# Altium PCB MCU063A_PCB.PcbDoc (part 7 of 9) (continued)
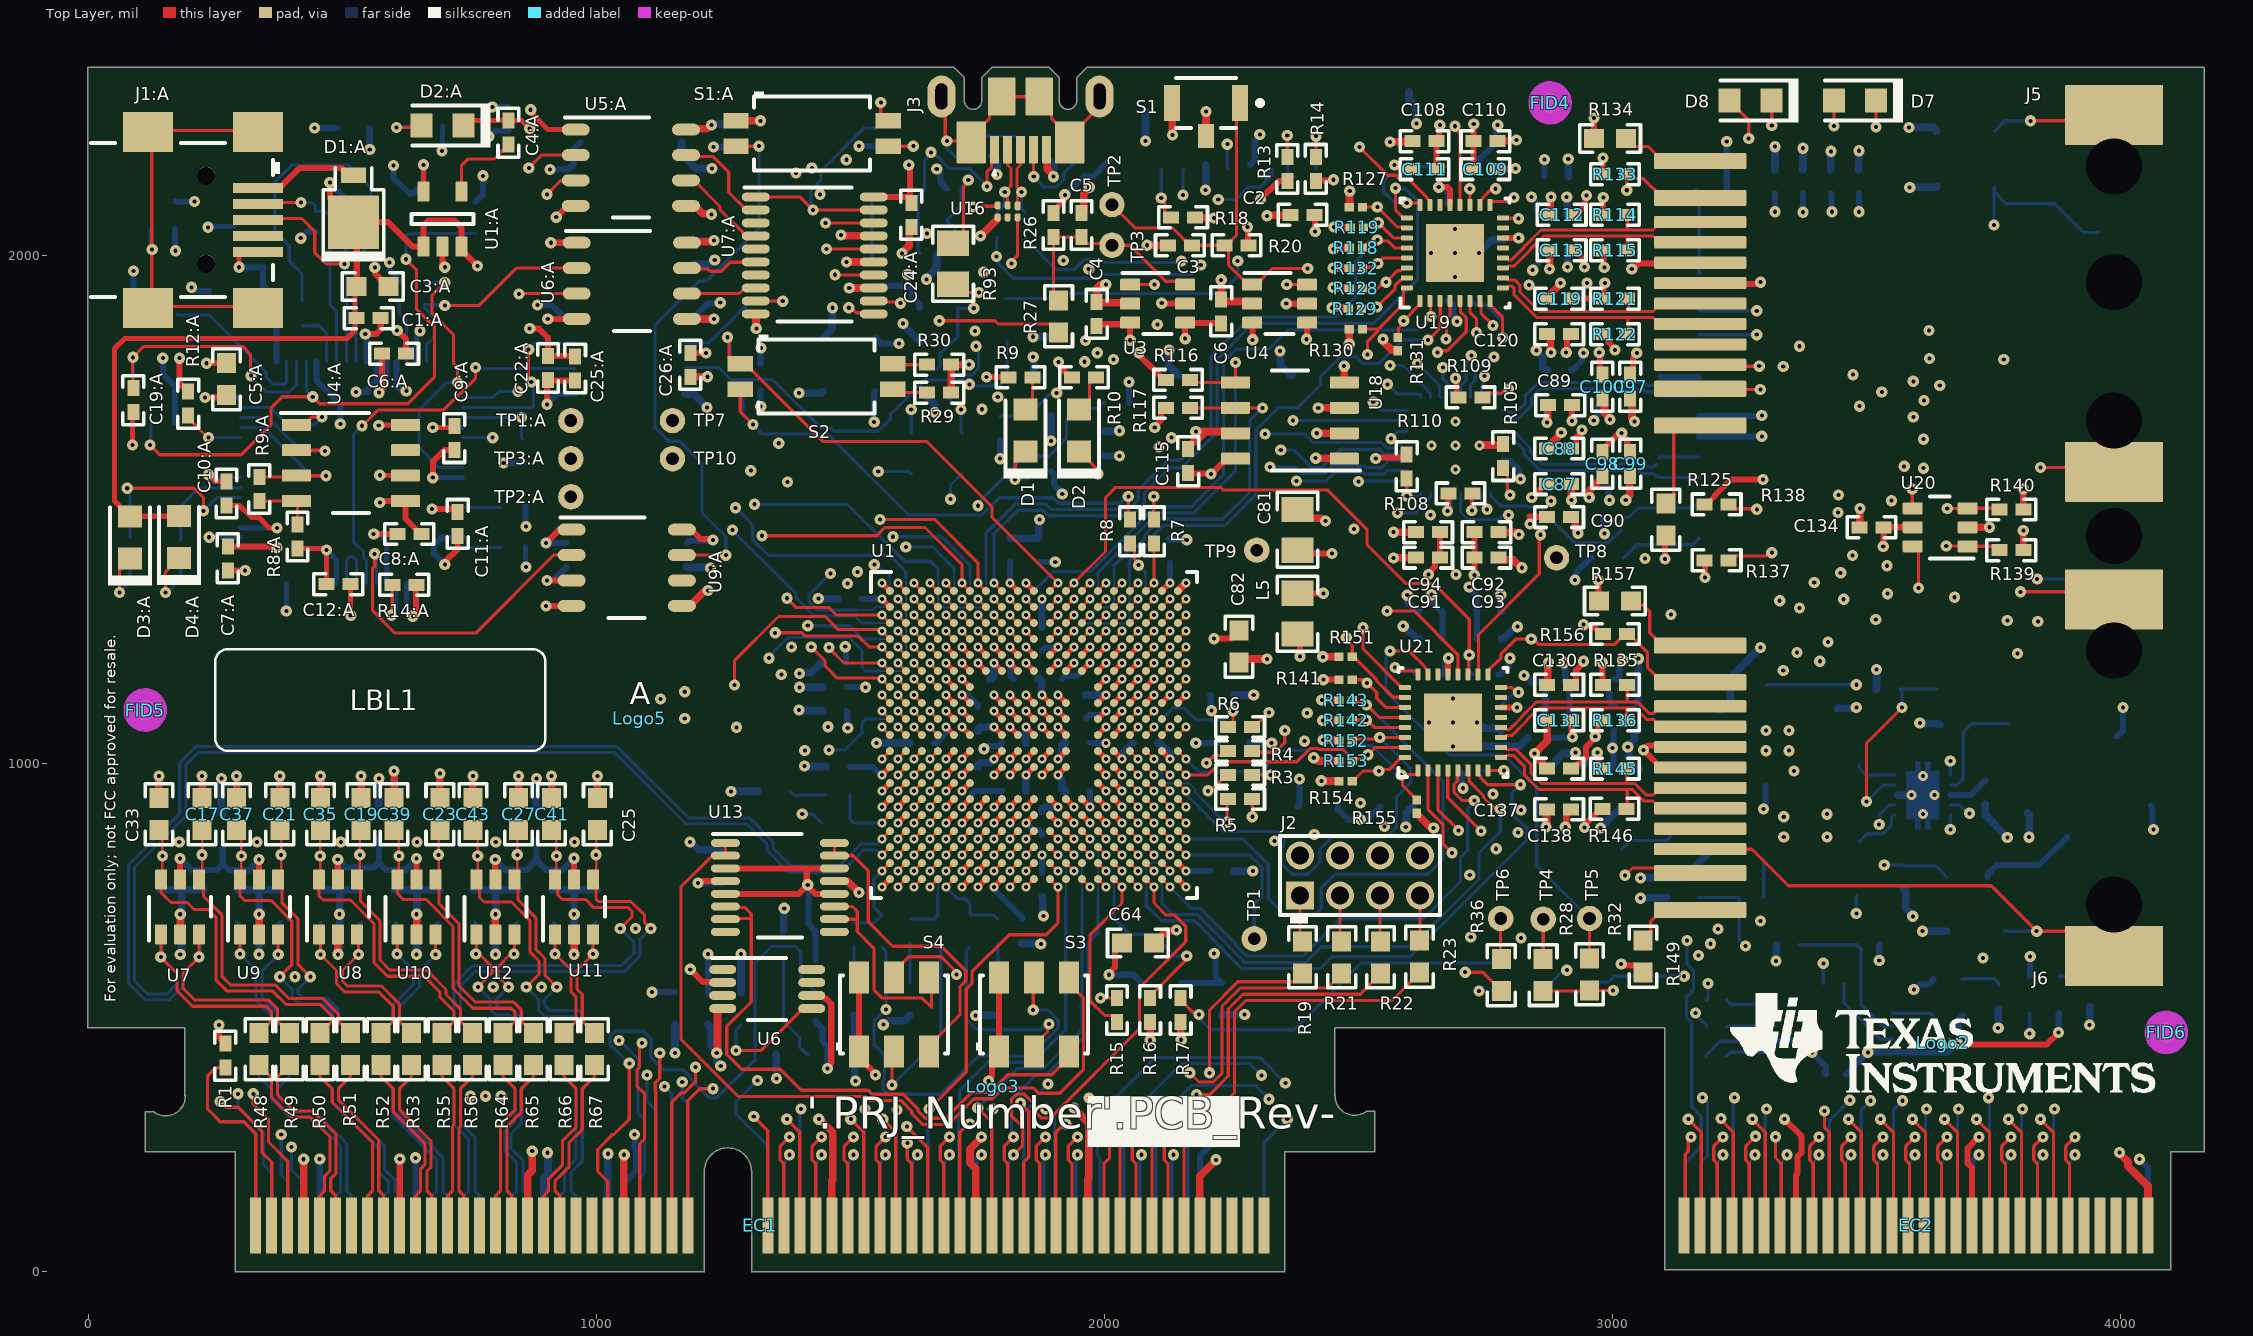
[diagram p0: Top Layer view]
## Nets (pads, with @x,y where several pads share a name; then routed paths per layer and width w, separated by ;. In a path a pad name is that pad's centre, name@x,y a point inside that pad or via, vN(x,y) a via of type N, cw(c..) or ccw(c..) an arc to the next point about the centre after c; other vN are vias at no path point) (continued)
NetJ1:A_3: J1:A.3 U2:A.8 U3:A.3 | length 482.2
  Top Layer w6.2: J1:A.3@341.82,2072.63 420.18,2072.63 445.89,2046.93 445.89,2005.47 468.05,1983.31 v1(504.21,1983.31)
  Bottom w6.25: U3:A.3@506.69,2046.93 506.69,1985.79 v1(504.21,1983.31) 508.34,1979.18 U2:A.8@508.34,1791.14
NetJ1_1: J1.1 R14.1 | length 105.2
  Top Layer w6.25: R14.1@2416.26,2193.93 v1(2416.26,2234.75)
  Bottom w6.25: J1.1@2416.26,2170.31 v1(2416.26,2234.75)
NetJ1_8: J1.8 R18.2 | length 106.1
  Top Layer w6.25: v1(2112.01,2113) 2112.01,2108.74 2118.76,2101.98 2118.76,2083.69 2127.45,2075 R18.2@2131.39,2075
  Bottom w6.25: v1(2112.01,2113) 2112.01,2169.21 J1.8@2113.11,2170.31
NetJ4_1: J4.1 R113.2 | length 165.2
  Bottom w6.25: R113.2@3021.51,1405 3022.49,1405 3048.06,1430.57 3158.02,1430.57 J4.1@3170.84,1443.39
NetJ4_2: J4.2 R111.1 U17.17 | length 498
  Bottom w6.25: U17.17@2759.97,1531.57 2759.97,1527.33 2780.17,1507.12 2831.76,1507.12 2833.7,1505.19 2854.7,1505.19 2925.7,1434.19 2991.71,1434.19 3016.01,1458.48 3016.01,1476.31 3024.69,1485 R111.1@3028.63,1485 3032.57,1485 3050.58,1503.01 3158.02,1503.01 J4.2@3170.84,1515.83
NetJ4_11: J4.11 R110.1 U17.24 | length 1020.3
  Top Layer w6.25: R110.1@2595.01,1561.38 2595.15,1561.23 v1(2595.15,1526.63)
  Signal Layer 4 w6.25: v1(2595.15,1526.63) 2596.21,1527.69 2760.95,1527.69 2865.95,1632.69 3028.21,1632.69 3284.01,1888.48 v1(3284.01,1891)
  Bottom w6.25: v1(2595.15,1526.63) 2620.38,1526.63 2622.17,1528.43 U17.24@2622.17,1531.57 ; J4.11@3170.84,1891.42 3171.26,1891 v1(3284.01,1891)
NetJ4_12: J4.12 R112.2 | length 172.2
  Bottom w6.25: R112.2@3163.51,2130 3170.84,2122.68 3170.84,1963.87 J4.12@3172.97,1966
NetJ5_1: J5.1 R134.2 | length 164.7
  Top Layer w6.25: R134.2@3026.51,2230 3042.08,2214.42 3070.18,2214.42 3098.96,2185.64 J5.1@3172.83,2185.64
NetJ5_12: J5.12 R125.2 | length 201.2
  Top Layer w6.25: R125.2@3105.01,1511.5 3120.59,1527.07 3120.59,1650.64 3133.41,1663.46 J5.12@3170.84,1663.46
NetJ6_1: J6.1 R157.2 | length 122.2
  Top Layer w6.25: R157.2@3036.51,1320 3045.07,1311.44 3060.5,1311.44 3073.3,1298.64 3073.3,1257.2 J6.1@3098.14,1232.36
NetJ6_12: J6.12 R149.2 | length 155
  Top Layer w6.25: R149.2@3060.01,651.5 3075.59,667.07 3075.59,689.39 3108.08,721.88 J6.12@3172.83,721.88
NetL1_1: L1.1 U14.6 | length 100.9
  Bottom w6.25: L1.1@3486.85,846.11 3486.85,847.48 3501.25,861.88 3532.52,861.88 3548.98,878.34 3548.98,894.69 3552.68,898.4 U14.6@3555.71,898.4
NetL2_1: L2.1 U14.10 | length 80.5
  Bottom w6.25: L2.1@3486.3,996.16 3486.3,990.74 3499.91,977.14 U14.10@3555.71,977.14
NetR3:A_2: R3:A.2 U2:A.24 | length 542.3
  Top Layer w6.2: v1(701.96,1946.77) 676.99,1921.79 676.99,1886.09 718.96,1844.11 718.96,1787.86 726.97,1779.86 v1(726.97,1750.07) v1@726.57,1749.67
  Bottom w6.25: R3:A.2@661.96,1945.39 663.34,1946.77 v1(701.96,1946.77) ; v1@726.57,1749.67 704.6,1749.67 651.29,1696.36 651.29,1622.07 690.88,1582.48 U2:A.24@736.69,1582.48
NetR3_2: R3.2 U1.M16 | length 225.5
  Top Layer w6.25: U1.M16@2050.4,993.11 v2(2066.14,977.36) ; v1(2204.21,946.31) 2207.22,949.33 2211.65,949.33 2239.69,977.36 R3.2@2243.62,977.36
  Signal Layer 3 w4: v2(2066.14,977.36) 2081.19,962.31 2177.21,962.31
  Signal Layer 3 w6.25: 2177.21,962.31 2188.21,962.31 v1(2204.21,946.31)
NetR4:A_1: R4:A.1 U2:A.28 | length 74.7
  Bottom w6.25: U2:A.28@736.69,1503.74 R4:A.1@811.41,1503.74
NetR4_2: R4.2 U1.L16 | length 225.1
  Top Layer w6.25: U1.L16@2050.4,1024.6 v2(2066.14,1008.86) ; v1(2201.34,1001.18) 2216.09,1015.92 2234.94,1015.92 R4.2@2243.62,1024.6
  Signal Layer 4 w4: v2(2066.14,1008.86) 2081.14,1023.86 2166.85,1023.86 2172.7,1018 2184.52,1018 v1(2201.34,1001.18)
NetR5:A_1: R5:A.1 U2:A.32 | length 75.2
  Bottom w6.25: U2:A.32@736.69,1425 R5:A.1@811.92,1425
NetR5_2: R5.2 U1.L17 | length 280.3
  Top Layer w6.25: U1.L17@2081.89,1024.6 v2(2097.64,1008.86) ; v1(2241.21,884.31) 2241.21,927.7 R5.2@2243.62,930.12
  Bottom w4: v2(2097.64,1008.86) 2112.64,993.86 2112.64,972.64 2124.42,960.86 2166.85,960.86 2179.53,948.18 2179.53,941.99 2192.21,929.31
  Bottom w6.25: 2192.21,929.31 2237.21,884.31 v1(2241.21,884.31)
NetR6:A_1: R6:A.1 U2:A.54 | length 351.8
  Top Layer w6.25: v1(76.96,1541.77) 208.23,1541.77 226.95,1523.05 v1(226.95,1497.41)
  Bottom w6.25: R6:A.1@82.16,1445.23 82.16,1530.11 ; v1(226.95,1497.41) 252.97,1523.42 U2:A.54@299.68,1523.42
NetR6_2: R6.2 U1.K17 | length 246
  Top Layer w6.25: U1.K17@2081.89,1056.1 v2(2097.64,1071.85) ; R6.2@2243.62,1071.85 2244.52,1071.85 2253.21,1080.53 v1(2253.21,1103.31)
  Bottom w4: v2(2097.64,1071.85) 2113.1,1087.31
  Bottom w6.25: 2113.1,1087.31 2134.79,1109 2157.52,1109 2180.64,1085.88 2235.77,1085.88 v1(2253.21,1103.31)
NetR7:A_1: R7:A.1 U2:A.55 | length 199
  Bottom w6.25: R7:A.1@182.16,1440.23 182.16,1506.61 217.95,1542.41 298.98,1542.41 U2:A.55@299.68,1543.11
NetR7_2: R7.2 U1.A17 | length 100.3
  Top Layer w6.25: U1.A17@2081.89,1339.56 v2(2097.64,1355.31) R7.2@2097.64,1433.3
NetR8:A_2: R8:A.2 R9:A.1 U4:A.4 | length 129
  Top Layer w6.25: R9:A.1@336.95,1516.78 409.7,1516.78 U4:A.4@408.32,1515.41 ; U4:A.4@404.15,1511.23 U4:A.4@408.32,1515.41 ; U4:A.4@406.96,1516.77 U4:A.4@408.32,1515.41 ; R8:A.2@411.96,1470.39 411.96,1511.77 408.5,1515.23 U4:A.4@408.32,1515.41
NetR8_2: R8.2 U1.B16 | length 150.7
  Top Layer w6.25: U1.B16@2050.4,1308.07 v2(2066.14,1323.82) ; R8.2@2050.4,1433.3 2059.08,1424.62 2059.08,1402.7 2067.21,1394.57 v1(2067.21,1390.31)
  Bottom w4: v2(2066.14,1323.82) 2081.14,1338.82 2081.14,1367
  Bottom w6.25: v1(2067.21,1390.31) 2081.14,1376.38 2081.14,1367
NetR9:A_2: R9:A.2 U2:A.61 U4:A.3 | length 339.5
  Top Layer w6.25: R9:A.2@336.95,1564.03 407.7,1564.03 410.08,1566.41 v1(467.95,1566.41)
  Bottom w6.25: U2:A.61@299.68,1661.22 344.63,1661.22 439.44,1566.41 v1(467.95,1566.41)
NetR10:A_2: R10:A.2 U2:A.14 | length 117.8
  Bottom w6.25: R10:A.2@612.16,1902.99 612.16,1886.57 626.45,1872.28 U2:A.14@626.45,1791.14
NetR12:A_2: R12:A.2 U2:A.60 | length 123.3
  Top Layer w6.25: R12:A.2@196.96,1684.52 196.96,1679.77 234.96,1641.77 v1(236.96,1641.77)
  Bottom w6.25: v1(236.96,1641.77) 237.2,1641.53 U2:A.60@299.68,1641.53
NetR13:A_2: R13:A.2 U2:A.6 | length 110.3
  Bottom w6.25: R13:A.2@420.78,1861.61 454.75,1861.61 468.97,1847.39 U2:A.6@468.97,1791.14
NetR14:A_2: R14:A.2 U2:A.36 | length 126.9
  Top Layer w6.25: v1(596.96,1291.77) 598.54,1293.34 R14:A.2@598.54,1351.61
  Bottom w6.25: v1(596.96,1291.77) 606.76,1301.57 U2:A.36@606.76,1354.13
NetR15:A_1: R15:A.1 S1:A.4 U7:A.1 U7:A.19 | length 571.3
  Top Layer w6.25: U7:A.1@1313.87,2115.16 1400.85,2115.16 v1(1426.44,2089.57) U7:A.19@1546.15,2089.57 ; v1(1560.01,2301) 1560.01,2276.84 1571.85,2265 S1:A.4@1575.01,2265
  Bottom w6.25: v1(1426.44,2089.57) 1426.44,2093.83 1422.08,2098.19 1422.08,2127.82 1442.33,2148.07 1442.33,2165.96 1527.38,2251 1551.32,2251 1560.01,2259.69 v1(1560.01,2301)
NetR15_2: R15.2 U1.W15 | length 349
  Top Layer w6.25: U1.W15@2018.9,772.63 v2(2034.65,756.89) 2034.65,725.39 1971.66,662.4 1971.66,533.23 2000.89,504 2016.32,504 2025.01,495.32 R15.2@2025.01,491.38 R15.2@2022.21,488.58
NetR29_1: R29.1 S2.3 | length 70.9
  Top Layer w6.25: S2.3@1583.36,1736.81 1590.17,1730 R29.1@1651.39,1730
NetR30_2: R30.2 S2.4 | length 68.8
  Top Layer w6.25: S2.4@1583.36,1786.81 1585.17,1785 R30.2@1651.39,1785
NetR34_1: R34.1 U5.3 | length 163.1
  Bottom w6.25: R34.1@3455.79,566.8 3455.79,528.71 3527.3,457.2 U5.3@3551.15,457.2
NetR35_1: R35.1 U5.8 | length 106
  Bottom w6.25: R35.1@3225.01,535 3225.01,533.03 3231.73,526.31 3282.24,526.31 3300.17,508.39 U5.8@3318.87,508.39
NetR37_1: R37.1 U5.5 | length 96.9
  Bottom w6.25: R37.1@3224.69,425 3231.31,431.61 U5.5@3318.87,431.61
NetR38_1: R38.1 Y1.1 | length 79.1
  Bottom w6.25: Y1.1@3688.55,576.42 3688.72,576.25 3751.32,576.25 3760.01,567.56 R38.1@3760.01,563.62
NetR39_1: R39.1 U5.7 | length 94.7
  Bottom w6.25: R39.1@3224.69,481.57 3225.92,482.8 U5.7@3318.87,482.8
NetR41_2: R41.2 R43.1 U5.2 | length 312.9
  Bottom w6.25: R43.1@3368.63,643.3 3481,643.3 3489.01,635.29 3489.01,526.24 3532.45,482.8 U5.2@3551.15,482.8
NetR42_1: R42.1 Y2.1 | length 69.1
  Bottom w6.25: Y2.1@3878.55,581.42 3878.72,581.25 3931.32,581.25 3940.01,572.56 R42.1@3940.01,568.62
NetR47_1: R47.1 S3.5 | length 843.2
  Top Layer w6.25: v1(1860.01,515) 1860.01,577.52 S3.5@1861.42,578.93
  Bottom w6.25: R47.1@1562.21,638.78 1570.12,630.86 v1(1570.12,516) 1569.38,516 1546.88,493.51 1546.88,446.77 1567.43,426.23 1567.43,379.49 1564.08,376.14 1564.08,359.8 1574.7,349.19 1676.71,349.19 1751.71,424.19 1853.71,424.19 1909.33,479.8 1909.33,494.82 1889.15,515 v1(1860.01,515)
NetR47_2: R47.2 R74.1 U1.V1 | length 183.9
  Top Layer w6.25: v2(1562.21,788.38) U1.V1@1577.96,804.13
  Bottom w6.25: R74.1@1507.09,686.02 1507.26,686.19 1546.63,686.19 R47.2@1562.21,701.77 1546.63,717.34 1546.63,743.43 1546.08,743.98 1546.08,772.26 v2(1562.21,788.38)
NetR54_1: R54.1 S3.2 | length 387.7
  Top Layer w6.25: S3.2@1861.42,433.26 1861.42,445.08 1888.19,471.85 1888.19,484.3 v1(1891.21,487.31)
  Bottom w6.25: R54.1@1735.44,638.78 1728.08,631.42 1728.08,496.8 1748.78,476.11 1875.74,476.11 1886.95,487.31 v1(1891.21,487.31)
NetR54_2: R54.2 R75.1 U1.W5 | length 164.7
  Top Layer w6.25: v2(1688.19,756.89) U1.W5@1703.94,772.63
  Bottom w6.25: v2(1688.19,756.89) 1711.08,734 1727,734 1735.44,725.56 R54.2@1735.44,701.77 1782.68,701.77 R75.1@1790.55,693.89
NetR63_1: R63.1 S4.5 | length 724.4
  Top Layer w6.25: S4.5@1586.42,578.93 1586.42,590.74 1615.23,619.55 1678.78,619.55 1706,592.34 1706,588.01 v1(1709.01,585)
  Signal Layer 8 w6.25: v1(1405.41,900.71) 1461.71,844.42 1461.71,724.21 1496.6,689.31 1614.5,689.31 1706,597.82 1706,588.01 v1(1709.01,585)
  Bottom w6.25: v1@1405.41,896.14 v1(1405.41,900.71) 1426.26,900.71 R63.1@1444.1,882.87
NetR63_2: R63.2 R76.1 U1.R1 | length 135.8
  Top Layer w6.25: v2(1562.21,882.87) U1.R1@1577.96,898.62
  Bottom w6.25: R76.1@1499.21,937.99 1499.21,890.75 R63.2@1507.09,882.87 v2(1562.21,882.87)
NetR68_1: R68.1 S4.2 | length 381.3
  Top Layer w6.25: v1(1582.21,367.31) 1582.21,429.05 S4.2@1586.42,433.26
  Bottom w6.25: v1(1582.21,367.31) 1678.13,463.24 1678.13,633.09 R68.1@1672.44,638.78
NetR68_2: R68.2 R77.1 U1.V5 | length 174
  Top Layer w6.25: v2(1688.19,788.38) U1.V5@1703.94,804.13
  Bottom w4: 1672.21,742.31 1672.21,772.4 v2(1688.19,788.38)
  Bottom w6.25: R77.1@1617.33,693.89 1664.57,693.89 R68.2@1672.44,701.77 1672.21,702 1672.21,742.31
NetR80_2: R80.2 U14.4 | length 395.5
  Signal Layer 3 w6.25: v1(3480.01,705) 3525.64,705 3702.27,881.63 3702.27,901.35 v1(3702.92,902)
  Bottom w6.25: v1(3480.01,705) 3480.01,738.6 R80.2@3481.54,740.13 ; U14.4@3665.94,918.08 3683.65,918.08 3699.73,902 v1(3702.92,902)
NetR83_1: R83.1 R85.2 | length 76.9
  Bottom w6.25: R85.2@3296.54,736.38 3297.92,737.76 R83.1@3297.92,812.76
NetR85_1: R85.1 R90.2 U14.5 | length 746.4
  Signal Layer 3 w6.25: v1(3262,640.7) 3262,706.99 3336.88,781.88 3576.88,781.88 v1(3665.01,870)
  Bottom w6.25: R90.2@3169.41,736.38 R85.1@3249.3,736.38 3249.3,653.4 v1(3262,640.7) ; v1(3665.01,870) 3665.01,897.46 U14.5@3665.94,898.4
NetR87_1: R87.1 R88.2 U14.2 | length 219
  Bottom w6.25: U14.2@3665.94,957.45 3677.53,957.45 3690.31,970.23 3690.31,1061.14 3705.88,1076.71 R88.2@3706.87,1076.71 3708.33,1078.17 R87.1@3781.7,1078.17
NetR105_1: R105.1 U17.16 | length 95.5
  Top Layer w6.25: R105.1@2785.01,1581.38 2793.7,1572.69 2793.7,1537.09 2798.21,1532.57 v1(2798.21,1528.31)
  Bottom w6.25: U17.16@2785.56,1557.17 2790.48,1557.17 2792.28,1555.37 2792.28,1538.5 2798.21,1532.57 v1(2798.21,1528.31)
NetR119_1: R119.1 U19.27 | length 101.7
  Top Layer w6.25: R119.1@2510.01,2055 2512.82,2057.81 2528.44,2057.81 2534.95,2064.31 v1(2539.21,2064.31) 2568.99,2034.53 U19.27@2595.52,2034.53
NetR120_1: R120.1 U19.16 | length 64.7
  Top Layer w6.25: U19.16@2784.5,2073.9 2813.79,2073.9 v1(2815.38,2072.31)
  Bottom w6.25: R120.1@2784.5,2077.83 2790.02,2072.31 v1(2815.38,2072.31)
NetR124_1: R124.1 U19.8 | length 190.5
  Top Layer w6.25: U19.8@2758.91,1910.51 2758.91,1903.62 2783.86,1878.67 v1(2783.86,1838.54)
  Bottom w6.25: R124.1@2723.47,1910.51 2732.16,1901.83 2751.33,1901.83 2783.86,1869.29 v1(2783.86,1838.54)
NetR126_2: R126.2 U19.24 | length 248.8
  Top Layer w6.25: v1@2593.21,2095.31 2593.21,2101.31 v1(2595.21,2103.31) 2619.32,2103.31 2621.11,2101.52 U19.24@2621.11,2099.49
  Bottom w6.25: v1(2595.21,2103.31) 2572.21,2103.31 2549.21,2126.31 2549.21,2145.31 2562.21,2158.31 2605.21,2158.31 2622.21,2175.31 R126.2@2673.58,2175.31
NetR132_2: R132.2 U19.29 | length 95.9
  Top Layer w6.25: R132.2@2508,1975 2509.66,1976.66 2530.55,1976.66 v1(2538.21,1984.31) 2549.05,1995.16 U19.29@2595.52,1995.16
NetR141_1: R141.1 U21.27 | length 132.6
  Top Layer w6.25: R141.1@2488,1165 2510.52,1165 v5(2517.21,1158.31) 2536.21,1139.31 2536.21,1128.31 2553.93,1110.59 U21.27@2591.58,1110.59
NetR142_1: R142.1 U21.29 | length 109.4
  Top Layer w6.25: R142.1@2488,1085 2488.16,1085.16 2515.74,1085.16 2515.9,1085 2517.15,1085 2530.93,1071.22 U21.29@2591.58,1071.22
  other v1: 2516.21,1085.31
NetR144_1: R144.1 U21.16 | length 87.9
  Top Layer w6.25: U21.16@2780.56,1149.96 2781.01,1149.51 2801.75,1149.51 2810.95,1140.31 v1(2815.21,1140.31)
  Bottom w6.25: R144.1@2780.56,1110.59 2780.56,1114.53 2803.33,1137.3 2812.19,1137.3 v1(2815.21,1140.31)
NetR147_1: R147.1 U21.8 | length 73.1
  Top Layer w6.25: U21.8@2754.97,986.57 2755.23,986.31 v1(2786.21,986.31)
  Bottom w6.25: R147.1@2745.01,985 2746.32,986.31 v1(2786.21,986.31)
NetR150_2: R150.2 U21.24 | length 100.3
  Top Layer w6.25: v1(2572.21,1189.31) 2576.47,1189.31 2583.51,1182.27 2615.38,1182.27 2617.17,1180.47 U21.24@2617.17,1175.55
  Bottom w6.25: v1(2572.21,1189.31) 2576.47,1189.31 2581.54,1184.24 2604.55,1184.24 R150.2@2613.24,1175.55
NetS3_3: S3.3 U13.6 U13.7 | length 1193.9
  Top Layer w6.25: U13.7@1254.14,693.6 1255.54,695 1305.01,695 ; U13.6@1254.14,718.6 1255.94,716.79 1292.05,716.79 1305.01,703.84 1305.01,695 ; S3.3@1930.32,433.26 1930.32,421.45 1896.3,387.44 1809.96,387.44 1774.9,352.38 1738.41,352.38 1687.91,301.88 1647.5,301.88 1633.07,316.31 1633.07,320.4 1604.29,349.19 1542.8,349.19 1535.11,356.88 1403.77,356.88 1362.52,398.13 1286.25,398.13 1256.88,427.49 1256.88,482.63 1305.01,530.75 1305.01,695
NetS3_6: S3.6 U13.1 U13.2 | length 1524
  Top Layer w6.25: U13.2@1230.38,817.42 1229.75,816.78 1226.16,816.78 1166.88,757.51 1166.88,457.49 1279.75,344.63 1530.03,344.63 1537.72,336.94 1599.21,336.94 1620.82,315.33 1620.82,311.23 1642.43,289.63 1692.99,289.63 1743.49,340.13 1779.98,340.13 1801.54,361.69 1860.2,361.69 1870.7,351.19 1912.33,351.19 1959.13,397.99 1959.13,538.31 1930.32,567.12 S3.6@1930.32,578.93 ; U13.2@1254.14,818.6 U13.1@1254.14,843.6
NetS4_3: S4.3 U13.15 U13.16 | length 625.3
  Top Layer w6.25: U13.16@1468.7,843.6 U13.15@1468.7,818.6 1505.92,818.6 1535.21,789.31 1535.21,753.94 1535.33,753.82 1535.33,738.8 1535.21,738.68 1535.21,688.31 1583.11,640.41 1679.23,640.41 1727.13,592.51 1727.13,572.24 1715.83,560.94 1715.83,505.59 1655.32,445.08 S4.3@1655.32,433.26
NetS4_6: S4.6 U13.10 U13.11 | length 451
  Top Layer w6.25: U13.10@1468.7,693.6 1512,693.6 1513.56,692.04 ; U13.11@1468.7,718.6 1503.97,718.6 1513.56,709.01 1513.56,692.04 ; S4.6@1655.32,578.93 1660.01,574.24 1660.01,520 1641.7,538.31 1562.96,538.31 1546.33,554.94 1546.33,636.64 1513.56,669.41 1513.56,692.04
NetTP1_1: TP1.1 U1.U19 | length 329.1
  Top Layer w6.25: U1.U19@2144.88,835.63 v2(2160.63,819.88)
  Bottom w6.25: v2(2160.63,819.88) 2286.27,819.88 2310.33,795.82 2310.33,738.99 2295.01,723.67 TP1.1@2295.01,655
NetU2:A_40: U2:A.40 U2:A.41 | length 118.3
  Bottom w6.25: U2:A.41@508.34,1354.13 508.34,1401.1 514.48,1407.24 521.15,1407.24 528.02,1400.36 U2:A.40@528.02,1354.13
NetU2:A_62: U2:A.62 U4:A.2 | length 250.6
  Top Layer w6.25: U4:A.2@409.87,1616.61 456.16,1616.61 457.46,1615.31 v1(466.21,1615.31)
  Bottom w6.25: U2:A.62@299.68,1680.9 353.95,1680.9 419.54,1615.31 v1(466.21,1615.31)
NetU2:A_63: U2:A.63 U4:A.1 | length 237.8
  Top Layer w6.25: U4:A.1@409.87,1666.61 425.5,1666.61 441.21,1682.31 v1(460.21,1682.31)
  Bottom w6.25: U2:A.63@299.68,1700.59 359.14,1700.59 392.96,1666.77 444.66,1666.77 v1(460.21,1682.31)
P0_25MHZ_CLK: R31.2 R35.2 | length 389.7
  Signal Layer 3 w6.25: v1(2910.21,593.31) 3003.57,593.31 3033.7,563.19 3179.82,563.19 3183.95,567.31 v1(3188.21,567.31)
  Bottom w6.25: R31.2@2863.71,552.2 2863.71,553.19 2900.82,590.3 2907.19,590.3 v1(2910.21,593.31) ; R35.2@3185.64,535 3188.21,537.57 v1(3188.21,567.31)
P0_PHY_CLK: R28.2 R31.1 TP4.1 U19.23 | length 2561.1
  Top Layer w6.25: v1(2502.21,2213.31) 2557.83,2157.69 2573.47,2157.69 2582.09,2149.06 2600.02,2149.06 2635.16,2113.93 2635.16,2112.02 2640.8,2106.38 U19.23@2640.8,2099.49 ; R28.2@2863.71,615.2 TP4.1@2863.71,693.7
  Signal Layer 7 w6.25: v1(2502.21,2213.31) 2578.27,2289.38 2804.14,2289.38 2894.88,2198.63 2894.88,2182.49 2895.21,2182.17 2895.21,2151.31 2910.21,2136.31 2988.21,2136.31 3012.21,2112.31 3012.21,1883.31 3029.21,1866.31 3029.21,1759.31 3063.21,1725.31 3063.21,1667.68 2991.34,1595.81 2971.07,1595.81 2901.08,1525.82 2901.08,1458.8 2924.13,1435.75 2924.13,1384.87 2908.08,1368.82 2908.08,1287.55 2856.08,1235.55 2856.08,1101.93 2864.58,1093.43 2864.58,959.8 2851.08,946.3 2851.08,827.04 2863.71,814.41 TP4.1@2863.71,693.7
  Bottom w6.25: R31.1@2863.71,615.2 TP4.1@2863.71,693.7
P0_RD_N: J5.8 R122.1 U19.9 | length 461.9
  Top Layer w6: U19.9@2784.5,1936.1 2791.39,1936.1 2795.23,1939.95 2802.49,1939.95 2806.01,1936.43 2806.01,1923.12 2851.59,1877.54 3030.21,1877.54 ; R122.1@3028.63,1845 3030.21,1846.58 3030.21,1877.54 ; J5.8@3172.83,1865.16 3092.15,1865.16 3079.77,1877.54 3030.21,1877.54
P0_RD_P: J5.7 R121.1 U19.10 | length 454.8
  Top Layer w6: U19.10@2784.5,1955.79 2791.39,1955.79 2795.23,1951.95 2807.47,1951.95 2818.01,1941.4 2818.01,1928.09 2856.56,1889.54 3031.21,1889.54 ; R121.1@3028.63,1915 3031.21,1912.42 3031.21,1889.54 ; J5.7@3170.84,1903.62 3092.29,1903.62 3092.29,1902.06 3079.77,1889.54 3031.21,1889.54
P0_TD_N: J5.4 R115.1 U19.11 | length 448.3
  Top Layer w6: U19.11@2784.5,1975.47 2791.39,1975.47 2795.23,1979.32 2806.76,1979.32 2838.3,2010.86 2838.3,2012.2 2864.27,2038.17 3029.21,2038.17 ; R115.1@3028.63,2010 3029.21,2010.58 3029.21,2038.17 ; J5.4@3170.84,2024.09 3092.29,2024.09 3092.29,2025.65 3079.77,2038.17 3029.21,2038.17
P0_TD_P: J5.3 R114.1 U19.12 | length 449
  Top Layer w6: U19.12@2784.5,1995.16 2791.39,1995.16 2795.23,1991.32 2801.79,1991.32 2826.3,2015.83 2826.3,2017.17 2859.3,2050.17 3029.21,2050.17 ; R114.1@3028.63,2080 3029.21,2079.42 3029.21,2050.17 ; J5.3@3170.84,2064.25 3093.85,2064.25 3079.77,2050.17 3029.21,2050.17
P1_25MHZ_CLK: R33.2 R37.2 | length 503.4
  Signal Layer 3 w6.25: v1(3141.21,581.31) 3168.53,581.31 3172.65,585.44 3195.71,585.44 3244.94,536.22 3244.94,510.58 3262.21,493.31 3262.21,454.31 v1(3261.18,453.28)
  Bottom w6.25: R33.2@2955.01,553.5 2955.01,554.49 2970.59,570.06 2992.43,570.06 3003.68,581.31 v1(3141.21,581.31) ; R37.2@3185.32,425 3185.32,426.97 3211.64,453.28 v1(3261.18,453.28)
P1_PHY_CLK: R32.2 R33.1 TP5.1 U21.23 | length 1014.3
  Top Layer w6.25: v1(2562.21,1221.31) 2599.9,1221.31 2631.22,1189.99 2631.22,1188.08 2636.86,1182.44 U21.23@2636.86,1175.55 ; R32.2@2955.01,616.5 TP5.1@2955.01,695
  Bottom w6.25: v1(2562.21,1221.31) 2562.21,1217.05 2554.08,1208.93 2554.08,1141.81 2679.04,1016.85 2786.3,1016.85 2851.08,952.07 2851.08,798.93 TP5.1@2955.01,695 R33.1@2955.01,616.5
P1_RD_N: J6.8 R146.1 U21.9 | length 485.6
  Top Layer w6: U21.9@2780.56,1012.17 2787.45,1012.17 2791.29,1016.01 2805.03,1016.01 2827.37,993.66 2827.37,976.76 2855.3,948.83 3029.21,948.83 ; R146.1@3027.76,910.75 3029.21,912.2 3029.21,948.83 ; J6.8@3172.83,911.88 3094.22,911.88 3079.91,926.19 3061.61,926.19 3058.1,929.7 3038.97,948.83 3029.21,948.83
P1_RD_P: J6.7 R145.1 U21.10 | length 476.1
  Top Layer w6: U21.10@2780.56,1031.85 2787.45,1031.85 2791.29,1028.01 2810,1028.01 2839.37,998.63 2839.37,981.73 2860.27,960.83 3028.21,960.83 ; R145.1@3028.63,990 3028.21,989.58 3028.21,960.83 ; J6.7@3172.83,952.04 3093.94,952.04 3080.09,938.19 3066.59,938.19 3043.94,960.83 3028.21,960.83
P1_TD_N: J6.4 R136.1 U21.11 | length 457
  Top Layer w6: U21.11@2780.56,1051.54 2787.45,1051.54 2791.29,1055.38 2802.83,1055.38 2831.98,1084.53 2831.98,1085.88 2855.56,1109.46 3028.21,1109.46 ; R136.1@3028.63,1085 3028.21,1085.42 3028.21,1109.46 ; J6.4@3172.83,1072.51 3095.19,1072.51 3080.8,1086.9 3067.06,1086.9 3044.5,1109.46 3028.21,1109.46
P1_TD_P: J6.3 R135.1 U21.12 | length 379.6
  Top Layer w6: U21.12@2780.56,1071.22 2787.45,1071.22 2791.29,1067.38 2797.86,1067.38 2819.98,1089.5 2819.98,1090.85 2850.59,1121.46 3029.21,1121.46 ; R135.1@3028.63,1155 3029.21,1154.42 3029.21,1121.46 ; J6.3@3088.7,1107.4 3080.2,1098.9 3072.03,1098.9 3049.47,1121.46 3029.21,1121.46
RD_N: J4.8 R107.1 U17.9 | length 535.9
  Bottom w6: U17.9@2785.56,1694.96 2792.45,1694.96 2796.29,1691.12 2810.03,1691.12 2829.18,1710.28 2829.18,1725.05 2853.92,1749.79 3029.21,1749.79 ; R107.1@3030.01,1775 3029.21,1774.2 3029.21,1749.79 ; J4.8@3092.29,1762.31 3092.29,1763.87 J4.8@3170.84,1763.87 ; J4.8@3172.83,1757.96 3094.86,1757.96 3080.6,1743.7 3069.57,1743.7 3063.48,1749.79 3029.21,1749.79
RD_P: J4.7 R106.1 U17.10 | length 447.9
  Bottom w6: U17.10@2785.56,1675.28 2792.45,1675.28 2796.29,1679.12 2815,1679.12 2841.18,1705.31 2841.18,1720.08 2858.89,1737.79 3029.21,1737.79 ; R106.1@3028.63,1710 3029.21,1710.58 3029.21,1737.79 ; J4.7@3086,1726.3 3080.6,1731.7 3064.6,1731.7 3058.51,1737.79 3029.21,1737.79 ; J4.7@3092.29,1725.26 3092.29,1723.71 J4.7@3170.84,1723.71
TD_N: J4.4 R104.1 U17.11 | length 449.7
  Bottom w6: U17.11@2785.56,1655.59 2792.45,1655.59 2796.29,1651.75 2807.83,1651.75 2837.67,1621.9 2837.67,1613.43 2861.94,1589.16 3029.21,1589.16 ; R104.1@3028.63,1620 3029.21,1619.42 3029.21,1589.16 ; J4.4@3086.5,1589.3 3086.5,1589.2 3080.5,1583.2 3061.47,1583.2 3055.51,1589.16 3029.21,1589.16 ; J4.4@3092.29,1601.68 3092.29,1603.24 J4.4@3170.84,1603.24
TD_P: J4.3 R103.1 U17.12 | length 447.5
  Bottom w6: U17.12@2785.56,1635.91 2792.45,1635.91 2796.29,1639.75 2802.86,1639.75 2825.67,1616.93 2825.67,1608.46 2856.97,1577.16 3030.21,1577.16 ; R103.1@3030.01,1550 3030.21,1550.2 3030.21,1577.16 ; J4.3@3086.5,1563.4 3086.5,1565.2 3080.5,1571.2 3056.5,1571.2 3050.54,1577.16 3030.21,1577.16 ; J4.3@3092.29,1564.63 3092.29,1563.08 J4.3@3170.84,1563.08
USB-EPEN: Q1.3 R95.2 R101.1 U15.4 | length 466.6
  Signal Layer 4 w6.25: v1(1620.01,1697) 1620.01,1773 v1(1743.01,1896)
  Bottom w6.25: R95.2@1620.01,1650 v1(1620.01,1697) ; Q1.3@1670.01,1775.59 1676.73,1782.31 1676.73,1806.21 1700.52,1830 R101.1@1701.51,1830 1711.37,1839.86 U15.4@1711.37,1895.87 1711.5,1896 v1(1743.01,1896)
USB-ID: J3.4 Q1.1 R97.2 R100.2 U16.3 | length 929
  Top Layer w6.25: v1@1741.21,2092.31 1745.86,2096.97 1789.2,2096.97 1790.01,2097.78 U16.3@1790.01,2098.62 ; J3.4@1860.55,2207.75 1860.78,2207.52 1860.78,2155.23 v1(1861.01,2155)
  Signal Layer 4 w6.25: v1(1741.21,2095.31) 1741.21,2131.68 1750.76,2141.23 1750.76,2146.38 1781.5,2177.13 1838.88,2177.13 v1(1861.01,2155)
  Signal Layer 8 w6.25: v1(1718.01,1697) 1718.01,1697.06 1703.63,1711.44 1703.63,1927.99 1719.58,1943.94 1719.58,2073.69 v1(1741.21,2095.31)
  Bottom w6.25: Q1.1@1689.69,1724.41 1689.69,1722.44 1715.14,1697 1720.01,1697 1718.01,1695 1718.01,1652 R97.2@1720.01,1650 ; v1(1861.01,2155) 1881.01,2135 1905.64,2135 1920,2149.36 1920,2161.5 R100.2@1948.5,2190
USB-PFLT: R93.2 R99.2 U15.3 | length 307.5
  Top Layer w6.25: R93.2@1702.51,2023.66 1723.08,2044.23 1723.08,2134.93 1732.21,2144.05 v1(1732.21,2148.31)
  Bottom w6.25: U15.3@1711.37,2004.13 1705.59,2009.92 1705.59,2052.93 R99.2@1690.01,2068.5 1690.01,2069.49 1717.84,2097.31 1717.84,2133.87 1732.21,2148.24 v1(1732.21,2148.31)
USB_5V0: C84.1 C85.1 R79.2 R98.1 R99.1 U15.5 | length 366.3
  Bottom w12: R98.1@1546.15,1937.99 1548.58,1940.42 1613.21,1940.42 v1(1613.21,1962.31) ; v1(1547.01,1672) 1547.01,1731.02 C85.1@1548.79,1732.8 ; C84.1@1548.79,1837.8 1559.58,1827 v1(1596.01,1827) ; 1613.21,1939.89 1621.69,1931.41 1621.69,1918.61 1636.56,1903.74 U15.5@1636.56,1895.87 ; v1(1670.21,2170.31) 1670.21,2167.61 1677.31,2160.5 1677.31,2144.2 R99.1@1690.01,2131.5 ; R79.2@3992.17,1052.9 4005.01,1065.73 v1(4005.01,1110)
USB_N: J3.2 R91.2 U16.2 | length 166.9
  Top Layer w6.1: J3.2@1809.41,2208.19 1809.41,2177.97 1816.15,2171.23 1816.15,2137.15 v1(1804.01,2125) 1809.69,2119.32 U16.2@1809.69,2098.62
  Bottom w6.1: R91.2@1790.01,2083.62 1790.01,2087.01 1804.01,2101.01 v1(1804.01,2125)
USB_P: J3.3 R92.2 U16.1 | length 165.4
  Top Layer w6.1: U16.1@1829.38,2097.64 1829.38,2117.37 v1(1837.01,2125) 1828.25,2133.75 1828.25,2171.23 1835,2177.97 J3.3@1835,2208.19
  Top Layer w7: U16.1@1829.38,2097.64 U16.1@1829.82,2098.07
  Bottom w6.1: v1(1837.01,2125) 1837.01,2091.62 R92.2@1845.01,2083.62
VDD_1V2: C54.1 C55.1 C56.1 C57.1 C58.1 C59.1 C60.1 C82.1 L5.2 TP9.1 U1.E9 U1.E11 U1.F9 U1.F11 U1.G14 U1.G15 U1.J14 U1.J15 U1.K5 U1.K6 U1.P10 U1.P13 U1.R10 U1.R13 U4.3 | length 715.7
  Top Layer w10: v2(1688.19,1071.85) U1.K5@1703.94,1056.1 ; v2(1719.69,1071.85) U1.K6@1735.44,1056.1 ; v2(1814.18,1197.83) U1.F9@1829.92,1182.08 ; v2(1814.18,1229.33) U1.E9@1829.92,1213.58 ; v2(1845.67,882.87) U1.R10@1861.42,898.62 ; v2(1845.67,914.37) U1.P10@1861.42,930.12 ; U1.F11@1892.92,1182.08 v2(1908.66,1197.83) ; U1.E11@1892.92,1213.58 v2(1908.66,1229.33) ; U1.R13@1955.91,898.62 v2(1971.66,882.87) ; U1.P13@1955.91,930.12 v2(1971.66,914.37) ; U1.J14@1987.4,1087.6 v2(2003.15,1103.34) ; U1.G14@1987.4,1150.59 v2(2003.15,1166.34) ; U1.J15@2018.9,1087.6 v2(2034.65,1103.34) ; U1.G15@2018.9,1150.59 v2(2034.65,1166.34)
  Top Layer w12: v1(2215.75,1245.74) 2249.24,1245.74 C82.1@2265,1261.5 ; U4.3@2290.88,1867.6 2291.44,1867.03 2291.44,1834.57 v1(2292.01,1834) ; L5.2@2380.01,1255 2385.01,1250 v1(2385.01,1211)
  Bottom w12: C54.1@1664.57,1040.35 1668.51,1040.35 1687.04,1058.89 1687.04,1070.7 v2(1688.19,1071.85) ; v2(1814.18,1197.83) 1815.32,1196.68 1815.32,1172.15 1821.13,1166.34 C58.1@1822.05,1166.34 ; v2(1845.67,882.87) 1847.3,882.87 1861.17,869 1871.36,869 C56.1@1877.17,863.19 C56.1@1877.17,859.25 ; C59.1@1877.17,1221.45 1877.17,1222.37 1882.98,1228.18 1907.52,1228.18 v2(1908.66,1229.33) ; C55.1@1963.78,1087.6 1963.78,1089.6 1969.59,1095.41 1993.59,1095.41 2001.53,1103.34 v2(2003.15,1103.34) ; v2(1971.66,914.37) C57.1@1971.66,945.86 ; C60.1@1971.66,1040.35 1971.83,1040.18 2002.98,1040.18 v2(2003.15,1040)